# KiCad board m-blanc.kicad_pcb (continued)
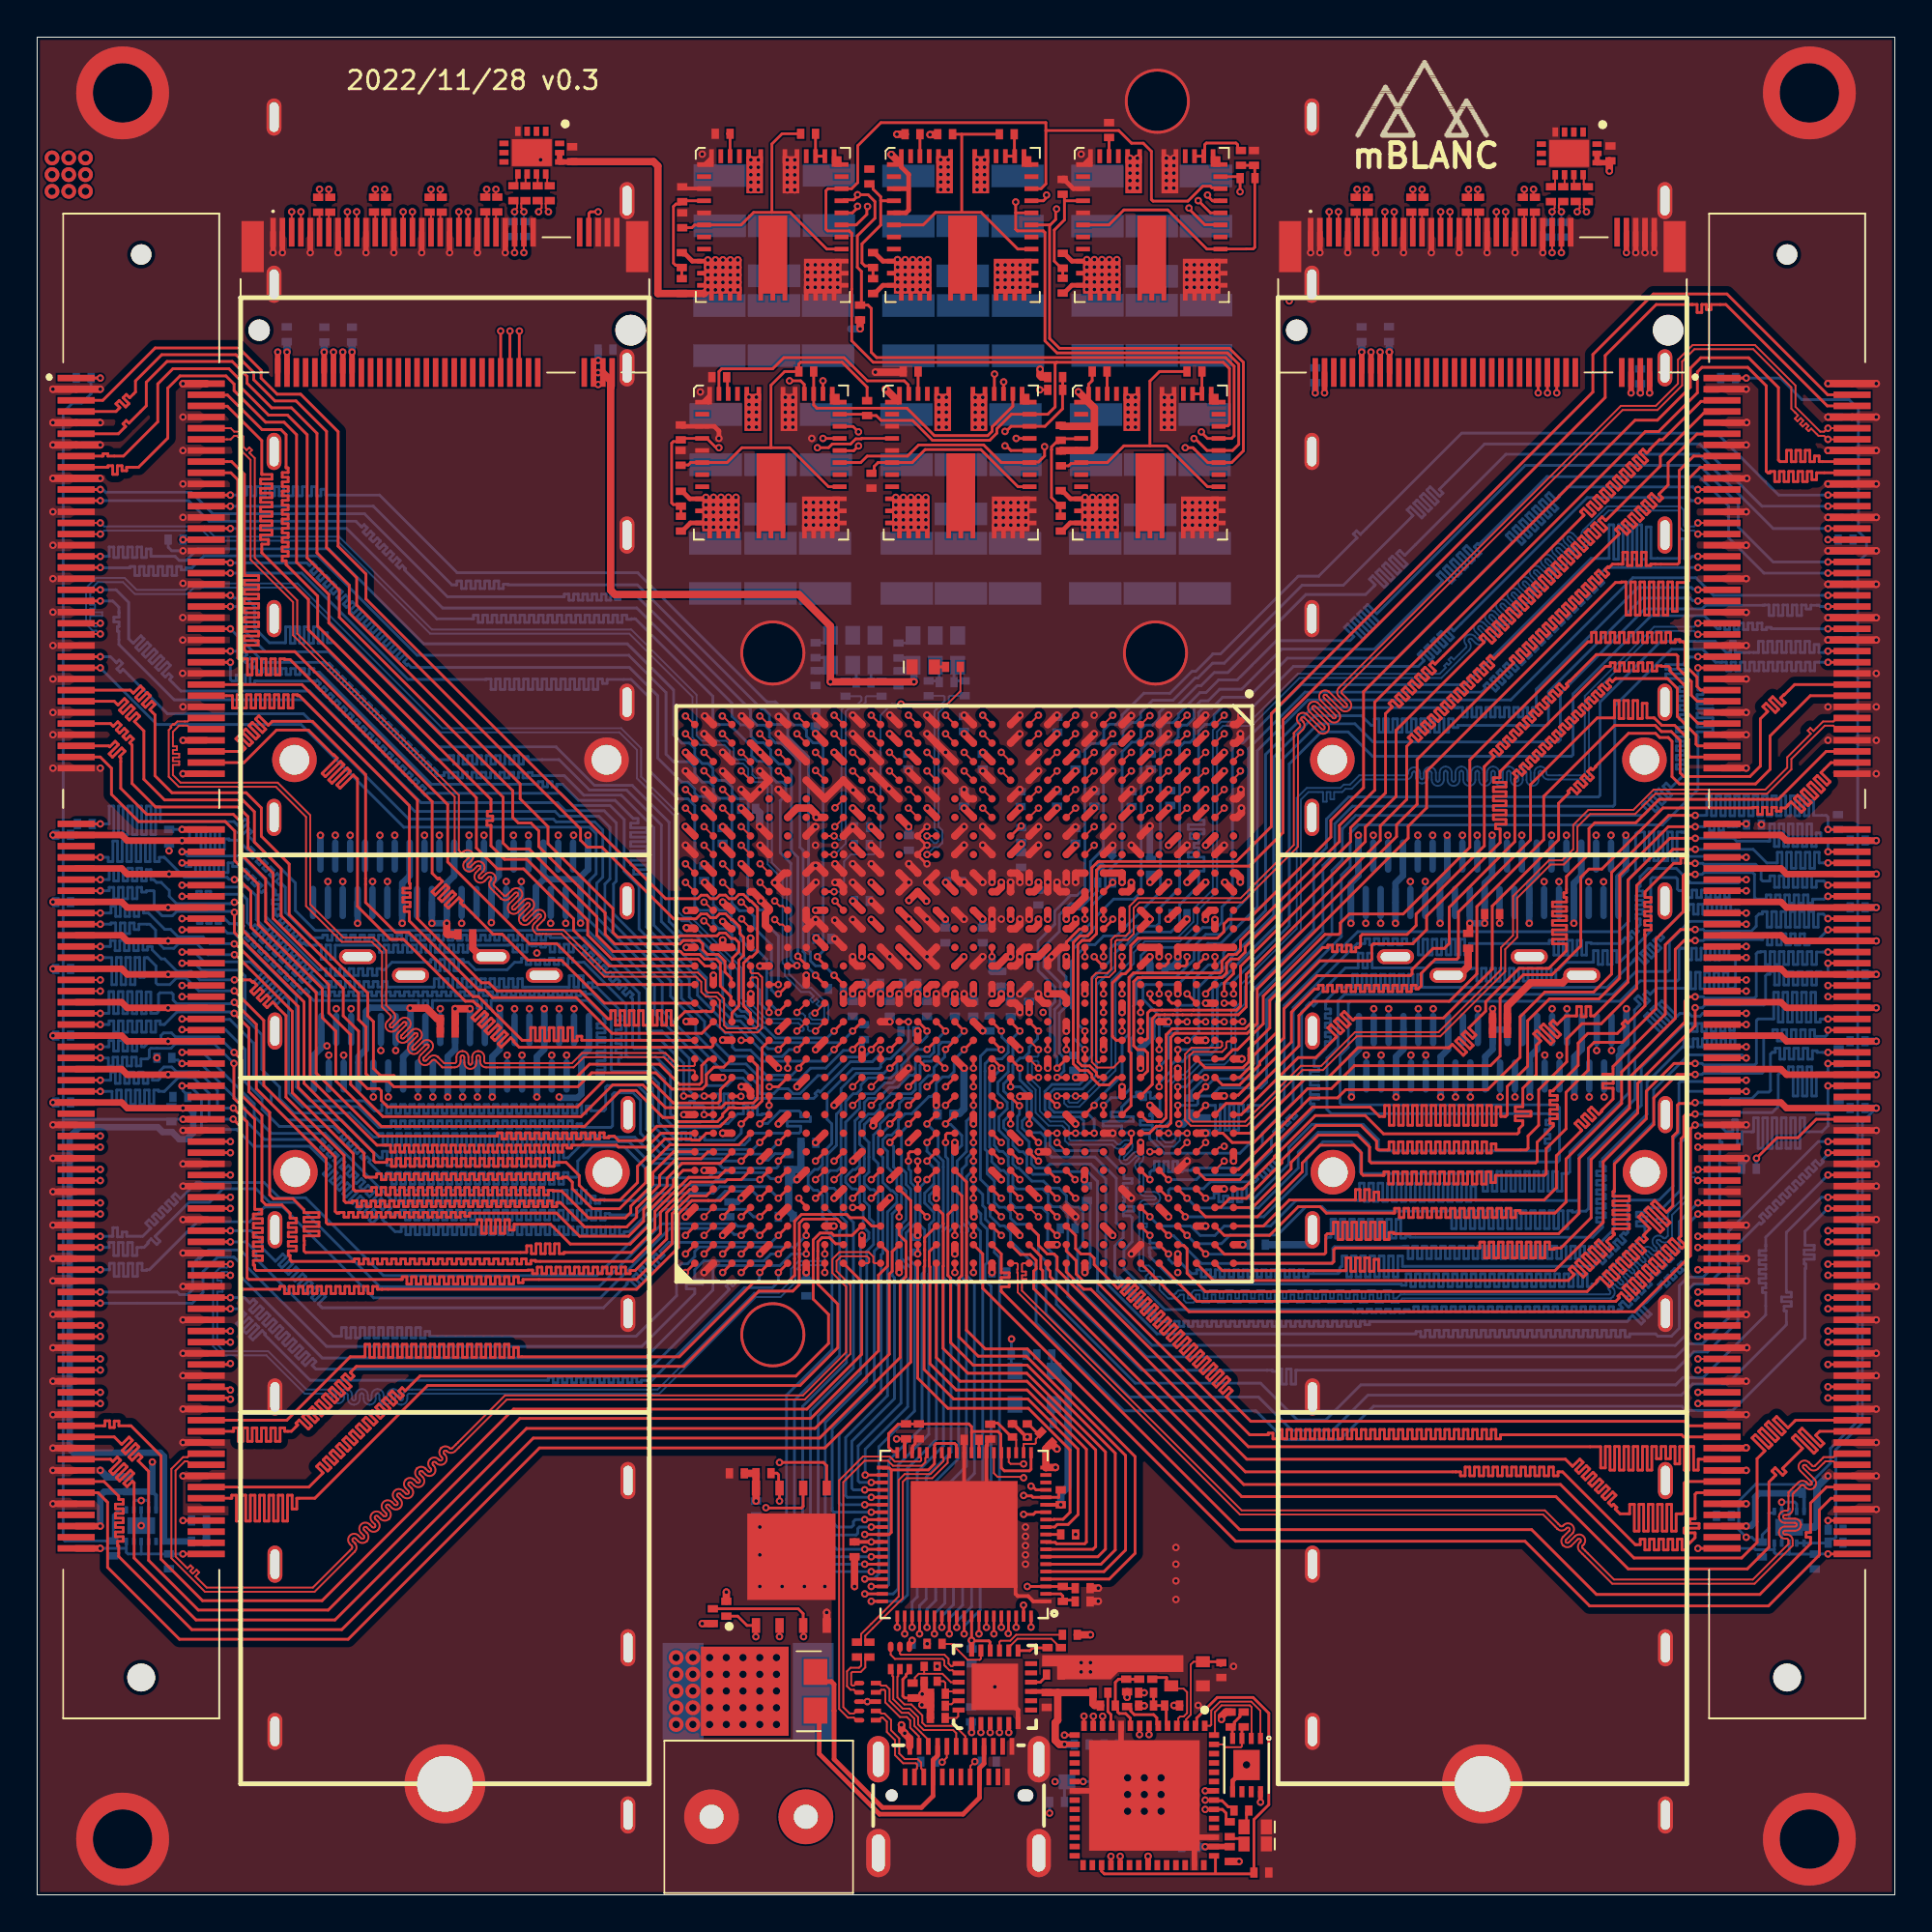
[diagram p0: board, top side]
## Routing (per net, layer and track width the routed paths; a pad name or vN(x,y) marks a point on that pad's centre or on a via; arc(x,y) is an arc through that point) (continued)
PCIe1_TX1_N: length 81.1
  Top Layer w0.1: U1.K1 v1(55.9,63.5) ; C99.1 21.2,91.46 v1(21.2,91.81)
  InLayer2 (Signal) w0.1: v1(55.9,63.5) 55.9,63.17 55.84,63.11 55.56,63.11 55.5,63.17 55.5,64.5 48.89,71.11 31.04,71.11 29.85,72.3 29.85,72.43 arc(29.87,72.5) 29.95,72.53 30.07,72.53 arc(30.3,72.62) 30.39,72.85 arc(30.3,73.08) 30.07,73.18 29.78,73.18 arc(29.71,73.2) 29.68,73.28 arc(29.71,73.35) 29.78,73.38 30.07,73.38 arc(30.3,73.47) 30.39,73.7 arc(30.3,73.93) 30.07,74.03 29.95,74.03 arc(29.87,74.05) 29.85,74.13 arc(29.87,74.2) 29.95,74.23 30.07,74.23 arc(30.3,74.32) 30.39,74.55 arc(30.3,74.78) 30.07,74.88 29.95,74.88 arc(29.87,74.9) 29.85,74.98 arc(29.87,75.05) 29.95,75.08 30.07,75.08 arc(30.3,75.17) 30.39,75.4 arc(30.3,75.63) 30.07,75.73 29.95,75.73 arc(29.87,75.75) 29.85,75.83 arc(29.87,75.9) 29.95,75.93 30.07,75.93 arc(30.3,76.02) 30.39,76.25 arc(30.3,76.48) 30.07,76.58 29.95,76.58 arc(29.87,76.6) 29.85,76.68 arc(29.87,76.75) 29.95,76.78 30.07,76.78 arc(30.3,76.87) 30.39,77.1 arc(30.3,77.33) 30.07,77.43 29.95,77.43 arc(29.87,77.45) 29.85,77.53 arc(29.87,77.6) 29.95,77.63 30.07,77.63 arc(30.3,77.72) 30.39,77.95 arc(30.3,78.18) 30.07,78.28 29.95,78.28 arc(29.87,78.3) 29.85,78.38 arc(29.87,78.45) 29.95,78.48 30.07,78.48 arc(30.3,78.57) 30.39,78.8 arc(30.3,79.03) 30.07,79.13 29.95,79.13 arc(29.87,79.15) 29.85,79.23 arc(29.87,79.3) 29.95,79.33 30.07,79.33 arc(30.3,79.42) 30.39,79.65 arc(30.3,79.88) 30.07,79.98 29.95,79.98 arc(29.87,80) 29.85,80.08 arc(29.87,80.15) 29.95,80.18 30.07,80.18 arc(30.3,80.27) 30.39,80.5 arc(30.3,80.73) 30.07,80.83 29.95,80.83 arc(29.87,80.85) 29.85,80.93 29.85,83.43 arc(29.87,83.5) 29.95,83.53 30.07,83.53 arc(30.3,83.63) 30.39,83.86 arc(30.3,84.09) 30.07,84.18 29.95,84.18 arc(29.87,84.21) 29.85,84.28 arc(29.87,84.35) 29.95,84.38 30.07,84.38 arc(30.3,84.48) 30.39,84.71 arc(30.3,84.94) 30.07,85.03 29.95,85.03 arc(29.87,85.06) 29.85,85.13 arc(29.87,85.2) 29.95,85.23 30.07,85.23 arc(30.3,85.33) 30.39,85.56 arc(30.3,85.79) 30.07,85.88 29.95,85.88 arc(29.87,85.91) 29.85,85.98 arc(29.87,86.05) 29.95,86.08 30.02,86.08 arc(30.25,86.18) 30.34,86.41 arc(30.25,86.64) 30.02,86.73 29.95,86.73 arc(29.87,86.76) 29.85,86.83 arc(29.87,86.9) 29.95,86.93 30.02,86.93 arc(30.25,87.03) 30.34,87.26 arc(30.25,87.49) 30.02,87.58 29.95,87.58 arc(29.87,87.61) 29.85,87.68 arc(29.87,87.75) 29.95,87.78 30.02,87.78 arc(30.25,87.88) 30.34,88.11 arc(30.25,88.34) 30.02,88.43 29.95,88.43 arc(29.87,88.46) 29.85,88.53 arc(29.87,88.6) 29.95,88.63 30.02,88.63 arc(30.25,88.73) 30.34,88.96 arc(30.25,89.19) 30.02,89.28 29.95,89.28 arc(29.87,89.31) 29.85,89.38 arc(29.87,89.45) 29.95,89.48 30.07,89.48 arc(30.3,89.58) 30.39,89.81 arc(30.3,90.04) 30.07,90.13 29.95,90.13 arc(29.87,90.16) 29.85,90.23 29.85,92.97 27.37,95.44 22.42,95.44 21.87,94.89 21.73,95.03 21.58,94.89 21.73,94.74 21.34,94.36 21.34,93.95 arc(21.43,93.72) 21.66,93.62 21.94,93.62 arc(22.01,93.59) 22.04,93.52 arc(22.01,93.45) 21.94,93.42 20.96,93.42 arc(20.73,93.33) 20.63,93.1 arc(20.73,92.87) 20.96,92.77 21.24,92.77 arc(21.31,92.74) 21.34,92.67 21.34,92.02 21.2,91.88 v1(21.2,91.81)
PCIe1_TX1_P: length 81.1
  Top Layer w0.1: v1(21.7,91.81) 21.7,91.46 C97.1 ; v1(55.89,62.51) 55.89,62.5 55.4,62.01 U1.K2
  InLayer2 (Signal) w0.1: v1(21.7,91.81) 21.7,91.88 21.56,92.02 21.56,92.67 arc(21.47,92.9) 21.24,93 20.96,93 arc(20.89,93.03) 20.86,93.1 arc(20.89,93.17) 20.96,93.2 21.94,93.2 arc(22.17,93.29) 22.27,93.52 arc(22.17,93.75) 21.94,93.85 21.66,93.85 arc(21.59,93.88) 21.56,93.95 21.56,94.26 22.52,95.22 27.28,95.22 28.07,94.42 27.87,94.22 28.01,94.07 28.22,94.28 28.36,94.14 28.28,94.06 28.42,93.92 28.5,94 29.62,92.88 29.62,90.23 arc(29.72,90) 29.95,89.91 30.07,89.91 arc(30.14,89.88) 30.17,89.81 arc(30.14,89.73) 30.07,89.71 29.95,89.71 arc(29.72,89.61) 29.62,89.38 arc(29.72,89.15) 29.95,89.06 30.02,89.06 arc(30.09,89.03) 30.12,88.96 arc(30.09,88.88) 30.02,88.86 29.95,88.86 arc(29.72,88.76) 29.62,88.53 arc(29.72,88.3) 29.95,88.21 30.02,88.21 arc(30.09,88.18) 30.12,88.11 arc(30.09,88.03) 30.02,88.01 29.95,88.01 arc(29.72,87.91) 29.62,87.68 arc(29.72,87.45) 29.95,87.36 30.02,87.36 arc(30.09,87.33) 30.12,87.26 arc(30.09,87.18) 30.02,87.16 29.95,87.16 arc(29.72,87.06) 29.62,86.83 arc(29.72,86.6) 29.95,86.51 30.02,86.51 arc(30.09,86.48) 30.12,86.41 arc(30.09,86.33) 30.02,86.31 29.95,86.31 arc(29.72,86.21) 29.62,85.98 arc(29.72,85.75) 29.95,85.66 30.07,85.66 arc(30.14,85.63) 30.17,85.56 arc(30.14,85.48) 30.07,85.46 29.95,85.46 arc(29.72,85.36) 29.62,85.13 arc(29.72,84.9) 29.95,84.81 30.07,84.81 arc(30.14,84.78) 30.17,84.71 arc(30.14,84.63) 30.07,84.61 29.95,84.61 arc(29.72,84.51) 29.62,84.28 arc(29.72,84.05) 29.95,83.96 30.07,83.96 arc(30.14,83.93) 30.17,83.86 arc(30.14,83.78) 30.07,83.76 29.95,83.76 arc(29.72,83.66) 29.62,83.43 29.62,80.93 arc(29.72,80.7) 29.95,80.6 30.07,80.6 arc(30.14,80.57) 30.17,80.5 arc(30.14,80.43) 30.07,80.4 29.95,80.4 arc(29.72,80.3) 29.62,80.08 arc(29.72,79.85) 29.95,79.75 30.07,79.75 arc(30.14,79.72) 30.17,79.65 arc(30.14,79.58) 30.07,79.55 29.95,79.55 arc(29.72,79.45) 29.62,79.23 arc(29.72,79) 29.95,78.9 30.07,78.9 arc(30.14,78.87) 30.17,78.8 arc(30.14,78.73) 30.07,78.7 29.95,78.7 arc(29.72,78.6) 29.62,78.38 arc(29.72,78.15) 29.95,78.05 30.07,78.05 arc(30.14,78.02) 30.17,77.95 arc(30.14,77.88) 30.07,77.85 29.95,77.85 arc(29.72,77.75) 29.62,77.53 arc(29.72,77.3) 29.95,77.2 30.07,77.2 arc(30.14,77.17) 30.17,77.1 arc(30.14,77.03) 30.07,77 29.95,77 arc(29.72,76.9) 29.62,76.68 arc(29.72,76.45) 29.95,76.35 30.07,76.35 arc(30.14,76.32) 30.17,76.25 arc(30.14,76.18) 30.07,76.15 29.95,76.15 arc(29.72,76.05) 29.62,75.83 arc(29.72,75.6) 29.95,75.5 30.07,75.5 arc(30.14,75.47) 30.17,75.4 arc(30.14,75.33) 30.07,75.3 29.95,75.3 arc(29.72,75.2) 29.62,74.98 arc(29.72,74.75) 29.95,74.65 30.07,74.65 arc(30.14,74.62) 30.17,74.55 arc(30.14,74.48) 30.07,74.45 29.95,74.45 arc(29.72,74.35) 29.62,74.13 arc(29.72,73.9) 29.95,73.8 30.07,73.8 arc(30.14,73.77) 30.17,73.7 arc(30.14,73.63) 30.07,73.6 29.78,73.6 arc(29.55,73.5) 29.45,73.28 arc(29.55,73.05) 29.78,72.95 30.07,72.95 arc(30.14,72.92) 30.17,72.85 arc(30.14,72.78) 30.07,72.75 29.95,72.75 arc(29.72,72.65) 29.62,72.43 29.62,72.21 30.94,70.88 48.8,70.88 55.28,64.4 55.28,63.08 55.47,62.89 55.83,62.89 55.89,62.83 v1(55.89,62.51)
PCIe1_TX2_N: length 80
  Top Layer w0.1: U1.H1 v1(57.9,63.5) ; C103.1 18.2,91.45 v1(18.2,91.81)
  InLayer2 (Signal) w0.1: v1(18.2,91.81) 18.2,91.88 18.34,92.02 18.34,93.99 arc(18.31,94.06) 18.24,94.09 18.18,94.09 arc(17.95,94.19) 17.85,94.42 arc(17.95,94.65) 18.18,94.74 18.72,94.74 arc(18.79,94.77) 18.82,94.84 arc(18.79,94.91) 18.72,94.94 18.66,94.94 arc(18.43,95.04) 18.34,95.27 18.34,95.94 19.48,97.08 28.42,97.08 33.25,92.26 33.25,88.69 arc(33.15,88.46) 32.92,88.36 32.46,88.36 arc(32.39,88.33) 32.36,88.26 arc(32.39,88.19) 32.46,88.16 33.15,88.16 arc(33.38,88.07) 33.48,87.84 arc(33.38,87.61) 33.15,87.51 32.46,87.51 arc(32.39,87.48) 32.36,87.41 arc(32.39,87.34) 32.46,87.31 33.15,87.31 arc(33.38,87.22) 33.48,86.99 arc(33.38,86.76) 33.15,86.66 32.46,86.66 arc(32.39,86.63) 32.36,86.56 arc(32.39,86.49) 32.46,86.46 33.15,86.46 arc(33.38,86.37) 33.48,86.14 arc(33.38,85.91) 33.15,85.81 32.46,85.81 arc(32.39,85.78) 32.36,85.71 arc(32.39,85.64) 32.46,85.61 32.92,85.61 arc(33.15,85.52) 33.25,85.29 33.25,73.25 34.31,72.19 49.66,72.19 57.5,64.35 57.5,63.17 57.56,63.11 57.84,63.11 57.9,63.17 v1(57.9,63.5)
PCIe1_TX2_P: length 80.1
  Top Layer w0.1: U1.H2 v1(57.9,62.5) ; v1(18.7,91.81) 18.7,91.47 C101.1
  InLayer2 (Signal) w0.1: v1(18.7,91.81) 18.7,91.88 18.56,92.02 18.56,93.99 arc(18.47,94.22) 18.24,94.32 18.18,94.32 arc(18.11,94.35) 18.08,94.42 arc(18.11,94.49) 18.18,94.52 18.72,94.52 arc(18.94,94.61) 19.04,94.84 arc(18.94,95.07) 18.72,95.17 18.66,95.17 arc(18.59,95.2) 18.56,95.27 18.56,95.84 19.58,96.86 28.33,96.86 29.37,95.82 29.23,95.68 29.37,95.54 29.51,95.68 29.75,95.43 33.03,92.16 33.03,88.69 arc(33,88.61) 32.92,88.59 32.46,88.59 arc(32.23,88.49) 32.14,88.26 arc(32.23,88.03) 32.46,87.94 33.15,87.94 arc(33.23,87.91) 33.25,87.84 arc(33.23,87.76) 33.15,87.74 32.46,87.74 arc(32.23,87.64) 32.14,87.41 arc(32.23,87.18) 32.46,87.09 33.15,87.09 arc(33.23,87.06) 33.25,86.99 arc(33.23,86.91) 33.15,86.89 32.46,86.89 arc(32.23,86.79) 32.14,86.56 arc(32.23,86.33) 32.46,86.24 33.15,86.24 arc(33.23,86.21) 33.25,86.14 arc(33.23,86.06) 33.15,86.04 32.46,86.04 arc(32.23,85.94) 32.14,85.71 arc(32.23,85.48) 32.46,85.39 32.92,85.39 arc(33,85.36) 33.03,85.29 33.03,73.16 34.22,71.96 49.57,71.96 57.28,64.26 57.28,63.08 57.47,62.89 57.84,62.89 57.9,62.83 v1(57.9,62.5)
PCIe1_TX3_N: length 78.8
  Top Layer w0.1: U1.F1 59.41,63 59.89,63.48 v1(59.9,63.48) ; C107.1 15.2,91.45 v1(15.2,91.81)
  InLayer2 (Signal) w0.1: v1(59.9,63.48) 59.9,63.16 59.84,63.1 59.65,63.1 59.48,63.27 59.48,64.23 50.45,73.25 35.59,73.25 35.11,73.73 35.11,93.33 29.69,98.75 17.13,98.75 15.34,96.95 15.34,92.02 15.2,91.88 v1(15.2,91.81)
PCIe1_TX3_P: length 78.9
  Top Layer w0.1: U1.F2 59.9,62.5 v1(59.9,62.5) ; C105.1 15.7,91.46 v1(15.7,91.81)
  InLayer2 (Signal) w0.1: v1(15.7,91.81) 15.7,91.88 15.56,92.02 15.56,94.48 15.76,94.48 15.76,94.68 15.56,94.68 15.56,96.86 17.23,98.52 29.6,98.52 34.88,93.24 34.88,73.63 35.49,73.02 50.36,73.02 59.25,64.13 59.25,63.18 59.55,62.87 59.84,62.87 59.9,62.82 v1(59.9,62.5)
PCIe1_WAKE: length 79.2
  Top Layer w0.15: 63.4,50.52 63.4,50.06 63.4,50.06 U1.B14 ; M.2 #1.50 v1(24.95,84.18)
  InLayer1 (GND) w0.15: 24.95,84.19 24.95,84.21 30.21,89.47 53.91,89.47 54.9,88.48 54.9,79.05 55.7,78.25 55.7,67.78 59.07,64.41 61.9,64.41 62.49,63.82 62.49,62.19 62.28,61.98 62.28,60.23 62.4,60.1 62.4,57.4 62.3,57.3 62.3,55.81 62.49,55.62 62.49,54.16 63.36,53.3 63.57,53.3 63.78,53.09 63.78,50.88 63.4,50.5
  vias: v1(63.4,50.5)
PCIe2_CKRQ: length 45.1
  Top Layer w0.15: v1(63.9,48.5) 63.9,49.09 64.4,49.59 U1.A14 ; v1(81.3,80.85) M.2 #2.52
  InLayer1 (GND) w0.15: v1(63.9,48.5) 63.9,49.72 64.92,50.74 64.92,53.67 65.45,54.2 65.45,63.73 65.42,63.76 65.42,69.21 73.26,77.04 77.81,77.04 81.3,80.53 v1(81.3,80.85)
PCIe2_CLK_N: length 73.7
  Top Layer w0.1: v1(82.05,90.6) 82.05,90.66 81.91,90.8 81.91,90.95 81.92,90.96 81.92,91 82.07,91.15 R71.1 ; v1(82.05,88.4) M.2 #2.55
  InLayer2 (Signal) w0.1: v1(82.05,90.6) 82.05,90.53 81.91,90.39 81.91,90.06 ; 81.97,90 84.15,90 84.34,89.81 84.34,88.5 arc(84.25,88.27) 84.02,88.17 82.73,88.17 arc(82.63,88.07) 82.73,87.97 84.05,87.97 arc(84.38,87.65) 84.05,87.32 82.69,87.32 arc(82.59,87.22) 82.69,87.12 84.05,87.12 arc(84.38,86.8) 84.05,86.47 82.69,86.47 arc(82.59,86.37) 82.69,86.27 84.05,86.27 arc(84.38,85.95) 84.05,85.62 82.69,85.62 arc(82.59,85.52) 82.69,85.42 84.02,85.42 arc(84.25,85.33) 84.34,85.1 84.34,84.87 84.15,84.68 81.93,84.68 arc(81.7,84.77) 81.61,85 81.61,87.62 arc(81.58,87.69) 81.51,87.72 arc(81.44,87.69) 81.41,87.62 81.41,85 arc(81.31,84.77) 81.08,84.67 arc(80.85,84.77) 80.76,85 80.76,87.62 arc(80.73,87.69) 80.66,87.72 arc(80.59,87.69) 80.56,87.62 80.56,85 arc(80.46,84.77) 80.23,84.67 arc(80,84.77) 79.91,85 79.91,87.62 arc(79.88,87.69) 79.81,87.72 arc(79.74,87.69) 79.71,87.62 79.71,85 arc(79.61,84.77) 79.38,84.67 arc(79.15,84.77) 79.06,85 79.06,87.62 arc(79.03,87.69) 78.96,87.72 arc(78.89,87.69) 78.86,87.62 78.86,85 arc(78.76,84.77) 78.53,84.67 arc(78.3,84.77) 78.21,85 78.21,87.62 arc(78.18,87.69) 78.11,87.72 arc(78.04,87.69) 78.01,87.62 78.01,85 arc(77.91,84.77) 77.68,84.68 77.27,84.68 77.08,84.87 77.08,89.19 77.27,89.39 78.06,89.39 arc(78.13,89.41) 78.16,89.49 78.16,89.8 arc(78.26,90.03) 78.49,90.13 arc(78.72,90.03) 78.81,89.8 78.81,89.2 arc(78.84,89.13) 78.91,89.1 arc(78.98,89.13) 79.01,89.2 79.01,89.8 arc(79.11,90.03) 79.34,90.13 arc(79.57,90.03) 79.66,89.8 79.66,89.2 arc(79.69,89.13) 79.76,89.1 arc(79.83,89.13) 79.86,89.2 79.86,89.72 arc(79.96,89.95) 80.19,90.05 arc(80.42,89.95) 80.51,89.72 80.51,89.49 arc(80.54,89.41) 80.61,89.39 81.63,89.39 81.91,89.11 81.91,88.61 82.05,88.47 v1(82.05,88.4)
  Bottom Layer w0.1: v1(82.05,90.6) 82.05,90.1 R74.2
PCIe2_CLK_P: length 73.6
  Top Layer w0.1: v1(81.55,90.6) 81.55,90.66 81.69,90.8 81.69,91.02 81.56,91.15 R72.1 81.5,91.14 ; v1(81.55,88.4) M.2 #2.53
  InLayer2 (Signal) w0.1: v1(81.55,88.4) 81.55,88.47 81.69,88.61 81.69,89.01 81.54,89.16 80.61,89.16 arc(80.38,89.26) 80.29,89.49 80.29,89.72 arc(80.26,89.79) 80.19,89.82 arc(80.12,89.79) 80.09,89.72 80.09,89.2 arc(79.99,88.97) 79.76,88.88 arc(79.53,88.97) 79.44,89.2 79.44,89.8 arc(79.41,89.87) 79.34,89.9 arc(79.27,89.87) 79.24,89.8 79.24,89.2 arc(79.14,88.97) 78.91,88.88 arc(78.68,88.97) 78.59,89.2 78.59,89.8 arc(78.56,89.87) 78.49,89.9 arc(78.42,89.87) 78.39,89.8 78.39,89.49 arc(78.29,89.26) 78.06,89.16 77.36,89.16 77.3,89.1 77.3,84.96 77.36,84.9 77.68,84.9 arc(77.75,84.93) 77.78,85 77.78,87.62 arc(77.88,87.85) 78.11,87.95 arc(78.34,87.85) 78.43,87.62 78.43,85 arc(78.46,84.93) 78.53,84.9 arc(78.6,84.93) 78.63,85 78.63,87.62 arc(78.73,87.85) 78.96,87.95 arc(79.19,87.85) 79.28,87.62 79.28,85 arc(79.31,84.93) 79.38,84.9 arc(79.45,84.93) 79.48,85 79.48,87.62 arc(79.58,87.85) 79.81,87.95 arc(80.04,87.85) 80.13,87.62 80.13,85 arc(80.16,84.93) 80.23,84.9 arc(80.3,84.93) 80.33,85 80.33,87.62 arc(80.43,87.85) 80.66,87.95 arc(80.89,87.85) 80.98,87.62 80.98,85 arc(81.01,84.93) 81.08,84.9 arc(81.15,84.93) 81.18,85 81.18,87.62 arc(81.28,87.85) 81.51,87.95 arc(81.74,87.85) 81.83,87.62 81.83,85 arc(81.86,84.93) 81.93,84.9 84.06,84.9 84.12,84.96 84.12,85.1 arc(84.09,85.17) 84.02,85.2 82.69,85.2 arc(82.36,85.52) 82.69,85.85 84.05,85.85 arc(84.15,85.95) 84.05,86.05 82.69,86.05 arc(82.36,86.37) 82.69,86.7 84.05,86.7 arc(84.15,86.8) 84.05,86.9 82.69,86.9 arc(82.36,87.22) 82.69,87.55 84.05,87.55 arc(84.15,87.65) 84.05,87.75 82.73,87.75 arc(82.4,88.07) 82.73,88.4 84.02,88.4 arc(84.09,88.43) 84.12,88.5 84.12,89.72 84.06,89.78 83.84,89.78 83.84,89.53 83.64,89.53 83.64,89.78 83.44,89.78 83.44,89.53 83.24,89.53 83.24,89.78 83.04,89.78 83.04,89.61 82.84,89.61 82.84,89.78 81.88,89.78 81.69,89.97 81.69,90.39 81.55,90.53 v1(81.55,90.6)
  Bottom Layer w0.1: R73.2 81.55,90.13 v1(81.55,90.6)
PCIe2_DET: length 58.3
  Top Layer w0.15: 61.9,47.03 v1(61.9,47) U1.D17
  Top Layer w0.3: v1(85.55,88.4) M.2 #2.69
  InLayer1 (GND) w0.15: v1(85.55,88.4) 85.55,87.95 82.5,84.9 82.5,81.01 78.03,76.54 73.46,76.54 65.92,69 65.92,63.97 65.95,63.94 65.95,53.99 65.42,53.46 65.42,50.54 64.8,49.91 64.8,47.7 65.28,47.22 65.28,46.86 65.05,46.62 62.74,46.62 62.37,47 v1(61.9,47)
PCIe2_PERST: length 44.5
  Top Layer w0.15: v1(63.9,48) U1.A16 ; v1(80.8,80.85) M.2 #2.50
  InLayer1 (GND) w0.15: v1(80.8,80.85) 80.78,80.83 80.78,80.36 77.71,77.29 73.15,77.29 65.17,69.31 65.17,63.66 65.2,63.63 65.2,54.3 64.67,53.77 64.67,50.85 63.53,49.7 63.53,48.31 63.83,48 v1(63.9,48)
PCIe2_RCLK_N: length 60.2
  Top Layer w0.1: v1(82.9,90.6) 82.9,90.67 83.03,90.81 83.03,91.01 82.88,91.16 C92.1 82.81,91.15 ; U1.F5 v1(59.9,59.5)
  InLayer2 (Signal) w0.1: v1(59.9,59.5) 59.9,59.17 59.84,59.11 59.46,59.11 59.27,58.92 59.27,57.21 59.57,56.91 66.21,56.91 68,58.71 68,61.75 77.25,71 77.25,83.99 77.31,84.05 84.78,84.05 84.97,84.24 84.97,91.04 84.78,91.23 83.23,91.23 83.04,91.04 83.04,90.81 82.9,90.67 v1(82.9,90.6)
PCIe2_RCLK_P: length 60.3
  Top Layer w0.1: U1.F6 v1(59.9,58.5) ; v1(83.4,90.6) 83.4,90.67 83.26,90.81 83.26,91 83.41,91.15 C91.1 83.47,91.14
  InLayer2 (Signal) w0.1: v1(83.4,90.6) 83.4,90.67 83.26,90.81 83.26,90.95 83.32,91.01 83.87,91.01 83.87,90.46 84.07,90.46 84.07,91.01 84.27,91.01 84.27,90.56 84.47,90.56 84.47,91.01 84.69,91.01 84.75,90.95 84.75,84.34 84.69,84.28 77.22,84.28 77.03,84.09 77.03,71.09 67.78,61.84 67.78,58.8 66.11,57.14 59.66,57.14 59.5,57.3 59.5,58.83 59.56,58.89 59.84,58.89 59.9,58.83 v1(59.9,58.5)
PCIe2_RX0_N: length 59.5
  Top Layer w0.1: U1.G3 v1(58.9,61.5) ; M.2 #2.41 v1(78.55,90.6)
  InLayer2 (Signal) w0.1: v1(78.55,90.6) 78.55,90.67 78.69,90.81 78.69,90.99 78.88,91.18 80.63,91.18 81.16,91.71 81.16,93.01 80.01,94.16 68.09,94.16 66.37,92.43 66.22,92.29 66.37,92.14 66.23,91.99 66.08,92.14 65.93,92 66.21,91.73 66.07,91.59 65.79,91.86 64.13,90.2 64.13,67.46 60.49,63.82 60.49,62.17 60.19,61.86 58.77,61.86 58.5,61.59 58.5,61.35 58.7,61.15 58.86,61.15 58.9,61.2 v1(58.9,61.5)
PCIe2_RX0_P: length 59.5
  Top Layer w0.1: U1.G4 v1(58.9,60.5) ; M.2 #2.43 v1(79.05,90.6)
  InLayer2 (Signal) w0.1: v1(58.9,60.5) 58.9,60.89 58.86,60.93 58.61,60.93 58.28,61.26 58.28,61.68 58.68,62.08 60.09,62.08 60.27,62.26 60.27,63.92 63.91,67.55 63.91,90.29 68,94.39 80.1,94.39 81.39,93.1 81.39,91.62 80.72,90.95 78.97,90.95 78.91,90.89 78.91,90.81 79.05,90.67 v1(79.05,90.6)
PCIe2_RX1_N: length 58.4
  Top Layer w0.1: U1.E3 v1(60.9,61.5) ; M.2 #2.29 v1(75.55,90.6)
  InLayer2 (Signal) w0.1: v1(60.9,61.5) 60.9,61.17 60.96,61.11 61.21,61.11 61.53,60.79 61.53,60.31 61.09,59.88 60.6,59.88 60.5,59.78 60.5,58 60.9,57.6 65.6,57.6 66.9,58.9 66.9,62.08 75.69,70.87 75.69,83.21 arc(75.66,83.28) 75.59,83.31 arc(75.36,83.4) 75.26,83.63 arc(75.36,83.86) 75.59,83.96 76.05,83.96 arc(76.13,83.99) 76.15,84.06 arc(76.13,84.13) 76.05,84.16 75.48,84.16 arc(75.25,84.25) 75.16,84.48 arc(75.25,84.71) 75.48,84.81 76.23,84.81 arc(76.3,84.84) 76.33,84.91 arc(76.3,84.98) 76.23,85.01 75.48,85.01 arc(75.25,85.1) 75.16,85.33 arc(75.25,85.56) 75.48,85.66 76.23,85.66 arc(76.3,85.69) 76.33,85.76 arc(76.3,85.83) 76.23,85.86 75.48,85.86 arc(75.25,85.95) 75.16,86.18 arc(75.25,86.41) 75.48,86.51 76.23,86.51 arc(76.3,86.54) 76.33,86.61 arc(76.3,86.68) 76.23,86.71 75.48,86.71 arc(75.25,86.8) 75.16,87.03 arc(75.25,87.26) 75.48,87.36 76.23,87.36 arc(76.3,87.39) 76.33,87.46 arc(76.3,87.53) 76.23,87.56 76.01,87.56 arc(75.78,87.65) 75.69,87.88 75.69,89.25 75.49,89.25 75.49,89.45 75.69,89.45 75.69,90.39 75.55,90.53 v1(75.55,90.6)
PCIe2_RX1_P: length 58.4
  Top Layer w0.1: U1.E4 v1(60.9,60.5) ; M.2 #2.31 v1(76.05,90.6)
  InLayer2 (Signal) w0.1: v1(60.9,60.5) 60.9,60.83 60.96,60.89 61.11,60.89 61.3,60.7 61.3,60.4 61,60.1 60.51,60.1 60.28,59.87 60.28,57.91 60.81,57.38 65.69,57.38 67.13,58.81 67.13,61.99 75.91,70.78 75.91,83.21 arc(75.82,83.44) 75.59,83.53 arc(75.52,83.56) 75.49,83.63 arc(75.52,83.7) 75.59,83.73 76.05,83.73 arc(76.28,83.83) 76.38,84.06 arc(76.28,84.29) 76.05,84.38 75.48,84.38 arc(75.41,84.41) 75.38,84.48 arc(75.41,84.55) 75.48,84.58 76.23,84.58 arc(76.45,84.68) 76.55,84.91 arc(76.45,85.14) 76.23,85.23 75.48,85.23 arc(75.41,85.26) 75.38,85.33 arc(75.41,85.4) 75.48,85.43 76.23,85.43 arc(76.45,85.53) 76.55,85.76 arc(76.45,85.99) 76.23,86.08 75.48,86.08 arc(75.41,86.11) 75.38,86.18 arc(75.41,86.25) 75.48,86.28 76.23,86.28 arc(76.45,86.38) 76.55,86.61 arc(76.45,86.84) 76.23,86.93 75.48,86.93 arc(75.41,86.96) 75.38,87.03 arc(75.41,87.1) 75.48,87.13 76.23,87.13 arc(76.45,87.23) 76.55,87.46 arc(76.45,87.69) 76.23,87.78 76.01,87.78 arc(75.94,87.81) 75.91,87.88 75.91,90.39 76.05,90.53 v1(76.05,90.6)
PCIe2_RX2_N: length 59.9
  Top Layer w0.1: U1.D5 v1(61.9,59.5) ; M.2 #2.17 v1(72.55,90.6)
  InLayer2 (Signal) w0.1: v1(72.55,90.6) 72.55,90.67 72.69,90.81 72.69,90.98 72.93,91.23 73.24,91.23 74.68,89.79 74.68,78.34 arc(74.71,78.27) 74.78,78.24 74.9,78.24 arc(75.13,78.15) 75.23,77.92 arc(75.13,77.69) 74.9,77.59 74.26,77.59 arc(74.19,77.57) 74.16,77.49 arc(74.19,77.42) 74.26,77.39 74.9,77.39 arc(75.13,77.3) 75.23,77.07 arc(75.13,76.84) 74.9,76.74 74.26,76.74 arc(74.19,76.72) 74.16,76.64 arc(74.19,76.57) 74.26,76.54 74.9,76.54 arc(75.13,76.45) 75.23,76.22 arc(75.13,75.99) 74.9,75.89 74.26,75.89 arc(74.19,75.87) 74.16,75.79 arc(74.19,75.72) 74.26,75.69 74.9,75.69 arc(75.13,75.6) 75.23,75.37 arc(75.13,75.14) 74.9,75.04 74.26,75.04 arc(74.19,75.02) 74.16,74.94 arc(74.19,74.87) 74.26,74.84 74.9,74.84 arc(75.13,74.75) 75.23,74.52 arc(75.13,74.29) 74.9,74.19 74.26,74.19 arc(74.19,74.17) 74.16,74.09 arc(74.19,74.02) 74.26,73.99 74.9,73.99 arc(75.13,73.9) 75.23,73.67 arc(75.13,73.44) 74.9,73.34 74.26,73.34 arc(74.19,73.32) 74.16,73.24 arc(74.19,73.17) 74.26,73.14 74.9,73.14 arc(75.13,73.05) 75.23,72.82 arc(75.13,72.59) 74.9,72.49 74.26,72.49 arc(74.19,72.47) 74.16,72.39 arc(74.19,72.32) 74.26,72.29 74.79,72.29 arc(75.02,72.2) 75.12,71.97 arc(75.02,71.74) 74.79,71.64 74.36,71.64 arc(74.29,71.62) 74.26,71.54 arc(74.29,71.47) 74.36,71.44 arc(74.59,71.35) 74.68,71.12 74.68,70.75 arc(74.68,70.75) 74.68,70.75 74.68,70.59 74.68,70.59 66.5,62.41 66.5,59.28 65.04,57.82 61.77,57.82 61.33,58.26 61.33,58.77 61.67,59.11 61.84,59.11 61.9,59.17 v1(61.9,59.5)
PCIe2_RX2_P: length 59.9
  Top Layer w0.1: M.2 #2.19 v1(73.05,90.6) ; U1.D6 v1(61.9,58.5)
  InLayer2 (Signal) w0.1: v1(73.05,90.6) 73.05,90.68 72.92,90.81 72.92,90.89 73.03,91 73.15,91 73.63,90.52 73.35,90.24 73.49,90.1 73.77,90.38 73.91,90.24 73.63,89.96 73.77,89.82 74.05,90.1 74.19,89.96 74.1,89.86 74.24,89.72 74.33,89.82 74.46,89.69 74.46,78.34 arc(74.55,78.12) 74.78,78.02 74.9,78.02 arc(74.97,77.99) 75,77.92 arc(74.97,77.85) 74.9,77.82 74.26,77.82 arc(74.03,77.72) 73.94,77.49 arc(74.03,77.27) 74.26,77.17 74.9,77.17 arc(74.97,77.14) 75,77.07 arc(74.97,77) 74.9,76.97 74.26,76.97 arc(74.03,76.87) 73.94,76.64 arc(74.03,76.42) 74.26,76.32 74.9,76.32 arc(74.97,76.29) 75,76.22 arc(74.97,76.15) 74.9,76.12 74.26,76.12 arc(74.03,76.02) 73.94,75.79 arc(74.03,75.57) 74.26,75.47 74.9,75.47 arc(74.97,75.44) 75,75.37 arc(74.97,75.3) 74.9,75.27 74.26,75.27 arc(74.03,75.17) 73.94,74.94 arc(74.03,74.72) 74.26,74.62 74.9,74.62 arc(74.97,74.59) 75,74.52 arc(74.97,74.45) 74.9,74.42 74.26,74.42 arc(74.03,74.32) 73.94,74.09 arc(74.03,73.87) 74.26,73.77 74.9,73.77 arc(74.97,73.74) 75,73.67 arc(74.97,73.6) 74.9,73.57 74.26,73.57 arc(74.03,73.47) 73.94,73.24 arc(74.03,73.02) 74.26,72.92 74.9,72.92 arc(74.97,72.89) 75,72.82 arc(74.97,72.75) 74.9,72.72 74.26,72.72 arc(74.03,72.62) 73.94,72.39 arc(74.03,72.17) 74.26,72.07 74.79,72.07 arc(74.86,72.04) 74.89,71.97 arc(74.86,71.9) 74.79,71.87 74.36,71.87 arc(74.13,71.77) 74.03,71.54 arc(74.13,71.32) 74.36,71.22 arc(74.43,71.19) 74.46,71.12 74.46,70.75 arc(74.46,70.75) 74.46,70.75 74.46,70.68 66.28,62.5 66.28,59.38 64.94,58.04 61.86,58.04 61.55,58.36 61.55,58.68 61.76,58.89 61.84,58.89 61.9,58.83 v1(61.9,58.5)
PCIe2_RX3_N: length 57.1
  Top Layer w0.1: M.2 #2.5 v1(69.55,90.6) ; U1.C3 v1(62.9,61.5)
  InLayer2 (Signal) w0.1: v1(69.55,90.6) 69.55,90.53 69.69,90.39 69.69,90.25 69.54,90.1 68.98,90.1 68.98,90.31 68.78,90.31 68.78,90.1 67.99,90.1 66.75,88.86 66.75,83.79 66.76,83.78 66.76,78.9 arc(66.85,78.67) 67.08,78.58 67.62,78.58 arc(67.69,78.55) 67.72,78.48 arc(67.69,78.41) 67.62,78.38 66.77,78.38 arc(66.54,78.28) 66.44,78.05 arc(66.54,77.82) 66.77,77.73 67.62,77.73 arc(67.69,77.7) 67.72,77.63 arc(67.69,77.56) 67.62,77.53 66.77,77.53 arc(66.54,77.43) 66.44,77.2 arc(66.54,76.97) 66.77,76.88 67.62,76.88 arc(67.69,76.85) 67.72,76.78 arc(67.69,76.71) 67.62,76.68 66.77,76.68 arc(66.54,76.58) 66.44,76.35 arc(66.54,76.12) 66.77,76.03 67.62,76.03 arc(67.69,76) 67.72,75.93 arc(67.69,75.86) 67.62,75.83 66.77,75.83 arc(66.54,75.73) 66.44,75.5 arc(66.54,75.27) 66.77,75.18 67.62,75.18 arc(67.69,75.15) 67.72,75.08 arc(67.69,75.01) 67.62,74.98 66.77,74.98 arc(66.54,74.88) 66.44,74.65 arc(66.54,74.42) 66.77,74.33 67.62,74.33 arc(67.69,74.3) 67.72,74.23 arc(67.69,74.16) 67.62,74.13 66.77,74.13 arc(66.54,74.03) 66.44,73.8 arc(66.54,73.57) 66.77,73.48 67.62,73.48 arc(67.69,73.45) 67.72,73.38 arc(67.69,73.31) 67.62,73.28 66.77,73.28 arc(66.54,73.18) 66.44,72.95 arc(66.54,72.72) 66.77,72.63 67.62,72.63 arc(67.69,72.6) 67.72,72.53 arc(67.69,72.46) 67.62,72.43 66.77,72.43 arc(66.54,72.33) 66.44,72.1 arc(66.54,71.87) 66.77,71.78 67.62,71.78 arc(67.69,71.75) 67.72,71.68 arc(67.69,71.61) 67.62,71.58 66.77,71.58 arc(66.54,71.48) 66.44,71.25 arc(66.54,71.02) 66.77,70.93 67.5,70.93 arc(67.57,70.9) 67.6,70.83 arc(67.57,70.76) 67.5,70.73 67.08,70.73 arc(66.85,70.63) 66.76,70.4 66.76,67.36 63.3,63.91 63.3,61.17 63.24,61.11 62.96,61.11 62.9,61.17 v1(62.9,61.5)
PCIe2_RX3_P: length 57.1
  Top Layer w0.1: U1.C4 v1(62.9,60.5) ; M.2 #2.7 v1(70.05,90.6)
  InLayer2 (Signal) w0.1: v1(70.05,90.6) 70.05,90.53 69.91,90.39 69.91,90.16 69.63,89.87 68.09,89.87 66.98,88.76 66.98,83.88 66.98,83.88 66.98,78.9 arc(67.01,78.83) 67.08,78.8 67.62,78.8 arc(67.85,78.71) 67.95,78.48 arc(67.85,78.25) 67.62,78.15 66.77,78.15 arc(66.7,78.13) 66.67,78.05 arc(66.7,77.98) 66.77,77.95 67.62,77.95 arc(67.85,77.86) 67.95,77.63 arc(67.85,77.4) 67.62,77.3 66.77,77.3 arc(66.7,77.28) 66.67,77.2 arc(66.7,77.13) 66.77,77.1 67.62,77.1 arc(67.85,77.01) 67.95,76.78 arc(67.85,76.55) 67.62,76.45 66.77,76.45 arc(66.7,76.43) 66.67,76.35 arc(66.7,76.28) 66.77,76.25 67.62,76.25 arc(67.85,76.16) 67.95,75.93 arc(67.85,75.7) 67.62,75.6 66.77,75.6 arc(66.7,75.58) 66.67,75.5 arc(66.7,75.43) 66.77,75.4 67.62,75.4 arc(67.85,75.31) 67.95,75.08 arc(67.85,74.85) 67.62,74.75 66.77,74.75 arc(66.7,74.73) 66.67,74.65 arc(66.7,74.58) 66.77,74.55 67.62,74.55 arc(67.85,74.46) 67.95,74.23 arc(67.85,74) 67.62,73.9 66.77,73.9 arc(66.7,73.88) 66.67,73.8 arc(66.7,73.73) 66.77,73.7 67.62,73.7 arc(67.85,73.61) 67.95,73.38 arc(67.85,73.15) 67.62,73.05 66.77,73.05 arc(66.7,73.03) 66.67,72.95 arc(66.7,72.88) 66.77,72.85 67.62,72.85 arc(67.85,72.76) 67.95,72.53 arc(67.85,72.3) 67.62,72.2 66.77,72.2 arc(66.7,72.18) 66.67,72.1 arc(66.7,72.03) 66.77,72 67.62,72 arc(67.85,71.91) 67.95,71.68 arc(67.85,71.45) 67.62,71.35 66.77,71.35 arc(66.7,71.33) 66.67,71.25 arc(66.7,71.18) 66.77,71.15 67.5,71.15 arc(67.73,71.06) 67.83,70.83 arc(67.73,70.6) 67.5,70.5 67.08,70.5 arc(67.01,70.48) 66.98,70.4 66.98,67.27 63.53,63.81 63.53,61.08 63.33,60.89 62.96,60.89 62.9,60.83 v1(62.9,60.5)